# Altium PCB MKRWANV1.0.PcbDoc (part 1 of 2) (continued)
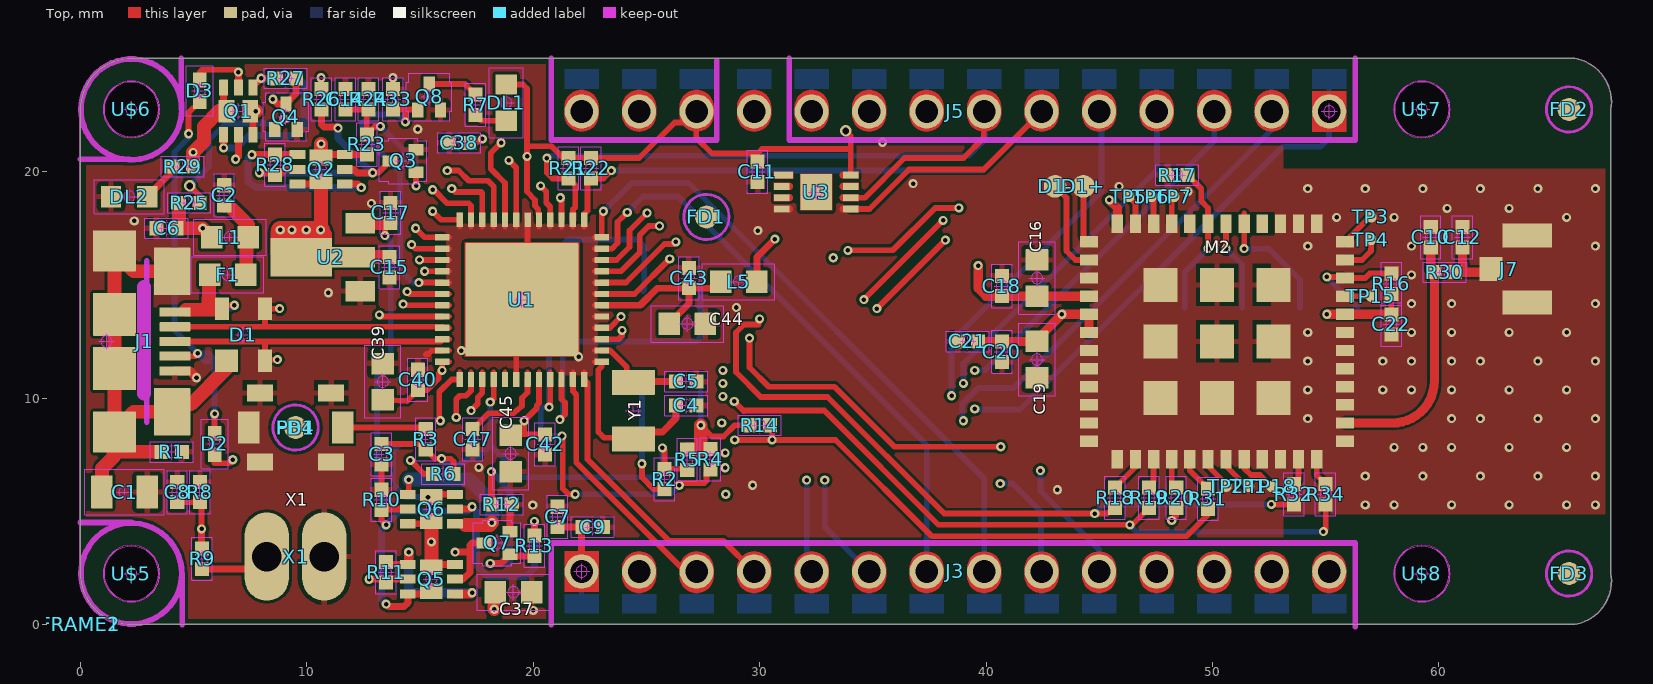
[diagram p0: Top view]
## Footprints (in the part's own frame and the unit in brackets; to place one, negate y for a bottom-side part, rotate by r counter-clockwise, add the part's x,y. Pads: shape width x height; smd on the part's side, far side on the other; paste and mask are expansions set on the pad) (continued)
  Top region: 0,0.889 -0.749,0.889 -0.749,-0.902 0.749,-0.902 0.749,0.889 0,0.889
  Top keep-out circle w0.05: c0,0 r0.25
  Top keep-out lines w0.05: -0.35,0 0,0 ; 0,-0.35 0,0 ; 0,0.35 0,0 ; 0.35,0 0,0
  Bottom region: -0.749,0.902 -0.749,-0.648 -0.318,-0.648 -0.235,-0.664 -0.165,-0.711 -0.118,-0.781 -0.102,-0.864 -0.102,-0.864 -0.102,-0.991 -0.103,-0.995 -0.105,-1 -0.109,-1.002 -0.114,-1.003 -0.114,-1.003 -0.749,-1.003 -0.749,-1.854 0.749,-1.854 0.749,-1.003 0.102,-1.003 0.102,-0.864 0.118,-0.781 0.165,-0.711 0.235,-0.664 0.318,-0.648 0.318,-0.648 0.749,-0.648 0.749,0.902 -0.749,0.902
  Bottom region: 22.86,0.889 22.573,0.832 22.33,0.67 22.168,0.426 22.111,0.14 22.111,0.14 22.111,-0.165 22.136,-0.318 22.187,-0.483 22.301,-0.648 22.543,-0.648 22.625,-0.664 22.695,-0.711 22.742,-0.781 22.758,-0.864 22.758,-0.864 22.758,-0.991 22.757,-0.995 22.755,-1 22.751,-1.002 22.746,-1.003 22.746,-1.003 22.111,-1.003 22.111,-1.854 23.609,-1.854 23.609,-1.003 22.962,-1.003 22.962,-0.864 22.978,-0.781 23.025,-0.711 23.095,-0.664 23.177,-0.648 23.177,-0.648 23.419,-0.648 23.533,-0.483 23.584,-0.318 23.609,-0.165 23.609,0 23.609,0.14 23.552,0.426 23.39,0.67 23.147,0.832 22.86,0.889 22.86,0.889
  Bottom region: 30.48,0.889 30.193,0.832 29.95,0.67 29.788,0.426 29.731,0.14 29.731,0.14 29.731,-0.165 29.756,-0.318 29.807,-0.483 29.921,-0.648 30.162,-0.648 30.245,-0.664 30.315,-0.711 30.362,-0.781 30.378,-0.864 30.378,-0.864 30.378,-0.991 30.377,-0.995 30.375,-1 30.371,-1.002 30.366,-1.003 30.366,-1.003 29.731,-1.003 29.731,-1.854 31.229,-1.854 31.229,-1.003 30.582,-1.003 30.582,-0.864 30.598,-0.781 30.645,-0.711 30.715,-0.664 30.797,-0.648 30.797,-0.648 31.039,-0.648 31.153,-0.483 31.204,-0.318 31.229,-0.165 31.229,0 31.229,0.14 31.172,0.426 31.01,0.67 30.767,0.832 30.48,0.889 30.48,0.889
  Bottom region: 27.94,0.889 27.653,0.832 27.41,0.67 27.248,0.426 27.191,0.14 27.191,0.14 27.191,-0.165 27.216,-0.318 27.267,-0.483 27.381,-0.648 27.622,-0.648 27.705,-0.664 27.775,-0.711 27.822,-0.781 27.838,-0.864 27.838,-0.864 27.838,-0.991 27.837,-0.995 27.835,-1 27.831,-1.002 27.826,-1.003 27.826,-1.003 27.191,-1.003 27.191,-1.854 28.689,-1.854 28.689,-1.003 28.042,-1.003 28.042,-0.864 28.058,-0.781 28.105,-0.711 28.175,-0.664 28.258,-0.648 28.258,-0.648 28.499,-0.648 28.613,-0.483 28.664,-0.318 28.689,-0.165 28.689,0 28.689,0.14 28.632,0.426 28.47,0.67 28.227,0.832 27.94,0.889 27.94,0.889
  Bottom region: 25.4,0.889 25.113,0.832 24.87,0.67 24.708,0.426 24.651,0.14 24.651,0.14 24.651,-0.165 24.676,-0.318 24.727,-0.483 24.841,-0.648 25.082,-0.648 25.165,-0.664 25.235,-0.711 25.282,-0.781 25.298,-0.864 25.298,-0.864 25.298,-0.991 25.297,-0.995 25.295,-1 25.291,-1.002 25.286,-1.003 25.286,-1.003 24.651,-1.003 24.651,-1.854 26.149,-1.854 26.149,-1.003 25.502,-1.003 25.502,-0.864 25.518,-0.781 25.565,-0.711 25.635,-0.664 25.717,-0.648 25.717,-0.648 25.959,-0.648 26.073,-0.483 26.124,-0.318 26.149,-0.165 26.149,0 26.149,0.14 26.092,0.426 25.93,0.67 25.687,0.832 25.4,0.889 25.4,0.889
  Bottom region: 20.32,0.889 20.033,0.832 19.79,0.67 19.628,0.426 19.571,0.14 19.571,0.14 19.571,-0.165 19.596,-0.318 19.647,-0.483 19.761,-0.648 20.002,-0.648 20.085,-0.664 20.155,-0.711 20.202,-0.781 20.218,-0.864 20.218,-0.864 20.218,-0.991 20.217,-0.995 20.215,-1 20.211,-1.002 20.206,-1.003 20.206,-1.003 19.571,-1.003 19.571,-1.854 21.069,-1.854 21.069,-1.003 20.422,-1.003 20.422,-0.864 20.438,-0.781 20.485,-0.711 20.555,-0.664 20.637,-0.648 20.637,-0.648 20.879,-0.648 20.993,-0.483 21.044,-0.318 21.069,-0.165 21.069,0 21.069,0.14 21.012,0.426 20.85,0.67 20.607,0.832 20.32,0.889 20.32,0.889
  Bottom region: 17.78,0.889 17.493,0.832 17.25,0.67 17.088,0.426 17.031,0.14 17.031,0.14 17.031,-0.165 17.056,-0.318 17.107,-0.483 17.221,-0.648 17.462,-0.648 17.545,-0.664 17.615,-0.711 17.662,-0.781 17.678,-0.864 17.678,-0.864 17.678,-0.991 17.677,-0.995 17.675,-1 17.671,-1.002 17.666,-1.003 17.666,-1.003 17.031,-1.003 17.031,-1.854 18.529,-1.854 18.529,-1.003 17.882,-1.003 17.882,-0.864 17.898,-0.781 17.945,-0.711 18.015,-0.664 18.098,-0.648 18.098,-0.648 18.339,-0.648 18.453,-0.483 18.504,-0.318 18.529,-0.165 18.529,0 18.529,0.14 18.472,0.426 18.31,0.67 18.067,0.832 17.78,0.889 17.78,0.889
  Bottom region: 15.24,0.889 14.953,0.832 14.71,0.67 14.548,0.426 14.491,0.14 14.491,0.14 14.491,-0.165 14.516,-0.318 14.567,-0.483 14.681,-0.648 14.922,-0.648 15.005,-0.664 15.075,-0.711 15.122,-0.781 15.138,-0.864 15.138,-0.864 15.138,-0.991 15.137,-0.995 15.135,-1 15.131,-1.002 15.126,-1.003 15.126,-1.003 14.491,-1.003 14.491,-1.854 15.989,-1.854 15.989,-1.003 15.342,-1.003 15.342,-0.864 15.358,-0.781 15.405,-0.711 15.475,-0.664 15.557,-0.648 15.557,-0.648 15.799,-0.648 15.913,-0.483 15.964,-0.318 15.989,-0.165 15.989,0 15.989,0.14 15.932,0.426 15.77,0.67 15.527,0.832 15.24,0.889 15.24,0.889
  Bottom region: 12.7,0.889 12.413,0.832 12.17,0.67 12.008,0.426 11.951,0.14 11.951,0.14 11.951,-0.165 11.976,-0.318 12.027,-0.483 12.141,-0.648 12.383,-0.648 12.465,-0.664 12.535,-0.711 12.582,-0.781 12.598,-0.864 12.598,-0.864 12.598,-0.991 12.597,-0.995 12.595,-1 12.591,-1.002 12.586,-1.003 12.586,-1.003 11.951,-1.003 11.951,-1.854 13.449,-1.854 13.449,-1.003 12.802,-1.003 12.802,-0.864 12.818,-0.781 12.865,-0.711 12.935,-0.664 13.018,-0.648 13.018,-0.648 13.259,-0.648 13.373,-0.483 13.424,-0.318 13.449,-0.165 13.449,0 13.449,0.14 13.392,0.426 13.23,0.67 12.987,0.832 12.7,0.889 12.7,0.889
  Bottom region: 10.16,0.889 9.873,0.832 9.63,0.67 9.468,0.426 9.411,0.14 9.411,0.14 9.411,-0.165 9.436,-0.318 9.487,-0.483 9.601,-0.648 9.842,-0.648 9.925,-0.664 9.995,-0.711 10.042,-0.781 10.058,-0.864 10.058,-0.864 10.058,-0.991 10.057,-0.995 10.055,-1 10.051,-1.002 10.046,-1.003 10.046,-1.003 9.411,-1.003 9.411,-1.854 10.909,-1.854 10.909,-1.003 10.262,-1.003 10.262,-0.864 10.278,-0.781 10.325,-0.711 10.395,-0.664 10.477,-0.648 10.477,-0.648 10.719,-0.648 10.833,-0.483 10.884,-0.318 10.909,-0.165 10.909,0 10.909,0.14 10.852,0.426 10.69,0.67 10.447,0.832 10.16,0.889 10.16,0.889
  Bottom region: 7.62,0.889 7.333,0.832 7.09,0.67 6.928,0.426 6.871,0.14 6.871,0.14 6.871,-0.165 6.896,-0.318 6.947,-0.483 7.061,-0.648 7.302,-0.648 7.385,-0.664 7.455,-0.711 7.502,-0.781 7.518,-0.864 7.518,-0.864 7.518,-0.991 7.517,-0.995 7.515,-1 7.511,-1.002 7.506,-1.003 7.506,-1.003 6.871,-1.003 6.871,-1.854 8.369,-1.854 8.369,-1.003 7.722,-1.003 7.722,-0.864 7.738,-0.781 7.785,-0.711 7.855,-0.664 7.938,-0.648 7.938,-0.648 8.179,-0.648 8.293,-0.483 8.344,-0.318 8.369,-0.165 8.369,0 8.369,0.14 8.312,0.426 8.15,0.67 7.907,0.832 7.62,0.889 7.62,0.889
  Bottom region: 5.08,0.889 4.793,0.832 4.55,0.67 4.388,0.426 4.331,0.14 4.331,0.14 4.331,-0.165 4.356,-0.318 4.407,-0.483 4.521,-0.648 4.763,-0.648 4.845,-0.664 4.915,-0.711 4.962,-0.781 4.978,-0.864 4.978,-0.864 4.978,-0.991 4.977,-0.995 4.975,-1 4.971,-1.002 4.966,-1.003 4.966,-1.003 4.331,-1.003 4.331,-1.854 5.829,-1.854 5.829,-1.003 5.182,-1.003 5.182,-0.864 5.198,-0.781 5.245,-0.711 5.315,-0.664 5.397,-0.648 5.397,-0.648 5.639,-0.648 5.753,-0.483 5.804,-0.318 5.829,-0.165 5.829,0 5.829,0.14 5.772,0.426 5.61,0.67 5.367,0.832 5.08,0.889 5.08,0.889
  Bottom region: 33.02,0.889 32.733,0.832 32.49,0.67 32.328,0.426 32.271,0.14 32.271,0.14 32.271,-0.165 32.296,-0.318 32.347,-0.483 32.461,-0.648 32.702,-0.648 32.785,-0.664 32.855,-0.711 32.902,-0.781 32.918,-0.864 32.918,-0.864 32.918,-0.991 32.917,-0.995 32.915,-1 32.911,-1.002 32.906,-1.003 32.906,-1.003 32.271,-1.003 32.271,-1.854 33.769,-1.854 33.769,-1.003 33.122,-1.003 33.122,-0.864 33.138,-0.781 33.185,-0.711 33.255,-0.664 33.337,-0.648 33.337,-0.648 33.579,-0.648 33.693,-0.483 33.744,-0.318 33.769,-0.165 33.769,0 33.769,0.14 33.712,0.426 33.55,0.67 33.307,0.832 33.02,0.889 33.02,0.889
  Bottom region: 2.54,0.889 2.253,0.832 2.01,0.67 1.848,0.426 1.791,0.14 1.791,0.14 1.791,-0.165 1.816,-0.318 1.867,-0.483 1.981,-0.648 2.222,-0.648 2.305,-0.664 2.375,-0.711 2.422,-0.781 2.438,-0.864 2.438,-0.864 2.438,-0.991 2.437,-0.995 2.435,-1 2.431,-1.002 2.426,-1.003 2.426,-1.003 1.791,-1.003 1.791,-1.854 3.289,-1.854 3.289,-1.003 2.642,-1.003 2.642,-0.864 2.658,-0.781 2.705,-0.711 2.775,-0.664 2.857,-0.648 2.857,-0.648 3.099,-0.648 3.213,-0.483 3.264,-0.318 3.289,-0.165 3.289,0 3.289,0.14 3.232,0.426 3.07,0.67 2.827,0.832 2.54,0.889 2.54,0.889
1X14_SMD_TH#2 [mm] "1X14_SMD_TH"
  round 1.508 hole 1: 1(0,0) 2(2.54,0) 3(5.08,0) 4(7.62,0) 5(10.16,0) 6(12.7,0) 7(15.24,0) 8(17.78,0) 9(20.32,0) 10(22.86,0) 11(25.4,0) 12(27.94,0) 13(30.48,0) 14(33.02,0)
  Top region: 33.02,0.889 32.733,0.832 32.49,0.67 32.328,0.426 32.271,0.14 32.271,0.14 32.271,0 32.271,-0.203 32.328,-0.49 32.49,-0.733 32.733,-0.895 33.02,-0.952 33.02,-0.952 33.307,-0.895 33.55,-0.733 33.712,-0.49 33.769,-0.203 33.769,-0.203 33.769,0 33.769,0.14 33.712,0.426 33.55,0.67 33.307,0.832 33.02,0.889 33.02,0.889
  Top region: 30.48,0.889 30.193,0.832 29.95,0.67 29.788,0.426 29.731,0.14 29.731,0.14 29.731,0 29.731,-0.203 29.788,-0.49 29.95,-0.733 30.193,-0.895 30.48,-0.952 30.48,-0.952 30.767,-0.895 31.01,-0.733 31.172,-0.49 31.229,-0.203 31.229,-0.203 31.229,0 31.229,0.14 31.172,0.426 31.01,0.67 30.767,0.832 30.48,0.889 30.48,0.889
  Top region: 27.94,0.889 27.653,0.832 27.41,0.67 27.248,0.426 27.191,0.14 27.191,0.14 27.191,0 27.191,-0.203 27.248,-0.49 27.41,-0.733 27.653,-0.895 27.94,-0.952 27.94,-0.952 28.227,-0.895 28.47,-0.733 28.632,-0.49 28.689,-0.203 28.689,-0.203 28.689,0 28.689,0.14 28.632,0.426 28.47,0.67 28.227,0.832 27.94,0.889 27.94,0.889
  Top region: 25.4,0.889 25.113,0.832 24.87,0.67 24.708,0.426 24.651,0.14 24.651,0.14 24.651,0 24.651,-0.203 24.708,-0.49 24.87,-0.733 25.113,-0.895 25.4,-0.952 25.4,-0.952 25.687,-0.895 25.93,-0.733 26.092,-0.49 26.149,-0.203 26.149,-0.203 26.149,0 26.149,0.14 26.092,0.426 25.93,0.67 25.687,0.832 25.4,0.889 25.4,0.889
  Top region: 22.86,0.889 22.573,0.832 22.33,0.67 22.168,0.426 22.111,0.14 22.111,0.14 22.111,0 22.111,-0.203 22.168,-0.49 22.33,-0.733 22.573,-0.895 22.86,-0.952 22.86,-0.952 23.147,-0.895 23.39,-0.733 23.552,-0.49 23.609,-0.203 23.609,-0.203 23.609,0 23.609,0.14 23.552,0.426 23.39,0.67 23.147,0.832 22.86,0.889 22.86,0.889
  Top region: 20.32,0.889 20.033,0.832 19.79,0.67 19.628,0.426 19.571,0.14 19.571,0.14 19.571,0 19.571,-0.203 19.628,-0.49 19.79,-0.733 20.033,-0.895 20.32,-0.952 20.32,-0.952 20.607,-0.895 20.85,-0.733 21.012,-0.49 21.069,-0.203 21.069,-0.203 21.069,0 21.069,0.14 21.012,0.426 20.85,0.67 20.607,0.832 20.32,0.889 20.32,0.889
  Top region: 17.78,0.889 17.493,0.832 17.25,0.67 17.088,0.426 17.031,0.14 17.031,0.14 17.031,0 17.031,-0.203 17.088,-0.49 17.25,-0.733 17.493,-0.895 17.78,-0.952 17.78,-0.952 18.067,-0.895 18.31,-0.733 18.472,-0.49 18.529,-0.203 18.529,-0.203 18.529,0 18.529,0.14 18.472,0.426 18.31,0.67 18.067,0.832 17.78,0.889 17.78,0.889
  Top region: 15.24,0.889 14.953,0.832 14.71,0.67 14.548,0.426 14.491,0.14 14.491,0.14 14.491,0 14.491,-0.203 14.548,-0.49 14.71,-0.733 14.953,-0.895 15.24,-0.952 15.24,-0.952 15.527,-0.895 15.77,-0.733 15.932,-0.49 15.989,-0.203 15.989,-0.203 15.989,0 15.989,0.14 15.932,0.426 15.77,0.67 15.527,0.832 15.24,0.889 15.24,0.889
  Top region: 12.7,0.889 12.413,0.832 12.17,0.67 12.008,0.426 11.951,0.14 11.951,0.14 11.951,0 11.951,-0.203 12.008,-0.49 12.17,-0.733 12.413,-0.895 12.7,-0.952 12.7,-0.952 12.987,-0.895 13.23,-0.733 13.392,-0.49 13.449,-0.203 13.449,-0.203 13.449,0 13.449,0.14 13.392,0.426 13.23,0.67 12.987,0.832 12.7,0.889 12.7,0.889
  Top region: 10.16,0.889 9.873,0.832 9.63,0.67 9.468,0.426 9.411,0.14 9.411,0.14 9.411,0 9.411,-0.203 9.468,-0.49 9.63,-0.733 9.873,-0.895 10.16,-0.952 10.16,-0.952 10.447,-0.895 10.69,-0.733 10.852,-0.49 10.909,-0.203 10.909,-0.203 10.909,0 10.909,0.14 10.852,0.426 10.69,0.67 10.447,0.832 10.16,0.889 10.16,0.889
  Top region: 7.62,0.889 7.333,0.832 7.09,0.67 6.928,0.426 6.871,0.14 6.871,0.14 6.871,0 6.871,-0.203 6.928,-0.49 7.09,-0.733 7.333,-0.895 7.62,-0.952 7.62,-0.952 7.907,-0.895 8.15,-0.733 8.312,-0.49 8.369,-0.203 8.369,-0.203 8.369,0 8.369,0.14 8.312,0.426 8.15,0.67 7.907,0.832 7.62,0.889 7.62,0.889
  Top region: 5.08,0.889 4.793,0.832 4.55,0.67 4.388,0.426 4.331,0.14 4.331,0.14 4.331,0 4.331,-0.203 4.388,-0.49 4.55,-0.733 4.793,-0.895 5.08,-0.952 5.08,-0.952 5.367,-0.895 5.61,-0.733 5.772,-0.49 5.829,-0.203 5.829,-0.203 5.829,0 5.829,0.14 5.772,0.426 5.61,0.67 5.367,0.832 5.08,0.889 5.08,0.889
  Top region: 2.54,0.889 2.253,0.832 2.01,0.67 1.848,0.426 1.791,0.14 1.791,0.14 1.791,0 1.791,-0.203 1.848,-0.49 2.01,-0.733 2.253,-0.895 2.54,-0.952 2.54,-0.952 2.827,-0.895 3.07,-0.733 3.232,-0.49 3.289,-0.203 3.289,-0.203 3.289,0 3.289,0.14 3.232,0.426 3.07,0.67 2.827,0.832 2.54,0.889 2.54,0.889
  Top region: 0,0.889 -0.749,0.889 -0.749,-0.902 0.749,-0.902 0.749,0.889 0,0.889
  Top keep-out circle w0.05: c0,0 r0.25
  Top keep-out lines w0.05: 0.35,0 -0.35,0 ; 0,0.35 0,-0.35
  Bottom region: -0.749,0.902 -0.749,-0.648 -0.317,-0.648 -0.235,-0.664 -0.165,-0.711 -0.118,-0.781 -0.102,-0.864 -0.102,-0.864 -0.102,-0.991 -0.103,-0.995 -0.105,-1 -0.109,-1.002 -0.114,-1.003 -0.114,-1.003 -0.749,-1.003 -0.749,-1.854 0.749,-1.854 0.749,-1.003 0.102,-1.003 0.102,-0.864 0.118,-0.781 0.165,-0.711 0.235,-0.664 0.318,-0.648 0.318,-0.648 0.749,-0.648 0.749,0.902 -0.749,0.902
  Bottom region: 22.86,0.889 22.573,0.832 22.33,0.67 22.168,0.426 22.111,0.14 22.111,0.14 22.111,-0.165 22.136,-0.317 22.187,-0.483 22.301,-0.648 22.542,-0.648 22.625,-0.664 22.695,-0.711 22.742,-0.781 22.758,-0.864 22.758,-0.864 22.758,-0.991 22.757,-0.995 22.755,-1 22.751,-1.002 22.746,-1.003 22.746,-1.003 22.111,-1.003 22.111,-1.854 23.609,-1.854 23.609,-1.003 22.962,-1.003 22.962,-0.864 22.978,-0.781 23.025,-0.711 23.095,-0.664 23.177,-0.648 23.177,-0.648 23.419,-0.648 23.533,-0.483 23.584,-0.317 23.609,-0.165 23.609,0 23.609,0.14 23.552,0.426 23.39,0.67 23.147,0.832 22.86,0.889 22.86,0.889
  Bottom region: 30.48,0.889 30.193,0.832 29.95,0.67 29.788,0.426 29.731,0.14 29.731,0.14 29.731,-0.165 29.756,-0.317 29.807,-0.483 29.921,-0.648 30.162,-0.648 30.245,-0.664 30.315,-0.711 30.362,-0.781 30.378,-0.864 30.378,-0.864 30.378,-0.991 30.377,-0.995 30.375,-1 30.371,-1.002 30.366,-1.003 30.366,-1.003 29.731,-1.003 29.731,-1.854 31.229,-1.854 31.229,-1.003 30.582,-1.003 30.582,-0.864 30.598,-0.781 30.645,-0.711 30.715,-0.664 30.797,-0.648 30.797,-0.648 31.039,-0.648 31.153,-0.483 31.204,-0.317 31.229,-0.165 31.229,0 31.229,0.14 31.172,0.426 31.01,0.67 30.767,0.832 30.48,0.889 30.48,0.889
  Bottom region: 27.94,0.889 27.653,0.832 27.41,0.67 27.248,0.426 27.191,0.14 27.191,0.14 27.191,-0.165 27.216,-0.317 27.267,-0.483 27.381,-0.648 27.622,-0.648 27.705,-0.664 27.775,-0.711 27.822,-0.781 27.838,-0.864 27.838,-0.864 27.838,-0.991 27.837,-0.995 27.835,-1 27.831,-1.002 27.826,-1.003 27.826,-1.003 27.191,-1.003 27.191,-1.854 28.689,-1.854 28.689,-1.003 28.042,-1.003 28.042,-0.864 28.058,-0.781 28.105,-0.711 28.175,-0.664 28.257,-0.648 28.257,-0.648 28.499,-0.648 28.613,-0.483 28.664,-0.317 28.689,-0.165 28.689,0 28.689,0.14 28.632,0.426 28.47,0.67 28.227,0.832 27.94,0.889 27.94,0.889
  Bottom region: 25.4,0.889 25.113,0.832 24.87,0.67 24.708,0.426 24.651,0.14 24.651,0.14 24.651,-0.165 24.676,-0.317 24.727,-0.483 24.841,-0.648 25.082,-0.648 25.165,-0.664 25.235,-0.711 25.282,-0.781 25.298,-0.864 25.298,-0.864 25.298,-0.991 25.297,-0.995 25.295,-1 25.291,-1.002 25.286,-1.003 25.286,-1.003 24.651,-1.003 24.651,-1.854 26.149,-1.854 26.149,-1.003 25.502,-1.003 25.502,-0.864 25.518,-0.781 25.565,-0.711 25.635,-0.664 25.717,-0.648 25.717,-0.648 25.959,-0.648 26.073,-0.483 26.124,-0.317 26.149,-0.165 26.149,0 26.149,0.14 26.092,0.426 25.93,0.67 25.687,0.832 25.4,0.889 25.4,0.889
  Bottom region: 20.32,0.889 20.033,0.832 19.79,0.67 19.628,0.426 19.571,0.14 19.571,0.14 19.571,-0.165 19.596,-0.317 19.647,-0.483 19.761,-0.648 20.002,-0.648 20.085,-0.664 20.155,-0.711 20.202,-0.781 20.218,-0.864 20.218,-0.864 20.218,-0.991 20.217,-0.995 20.215,-1 20.211,-1.002 20.206,-1.003 20.206,-1.003 19.571,-1.003 19.571,-1.854 21.069,-1.854 21.069,-1.003 20.422,-1.003 20.422,-0.864 20.438,-0.781 20.485,-0.711 20.555,-0.664 20.637,-0.648 20.637,-0.648 20.879,-0.648 20.993,-0.483 21.044,-0.317 21.069,-0.165 21.069,0 21.069,0.14 21.012,0.426 20.85,0.67 20.607,0.832 20.32,0.889 20.32,0.889
  Bottom region: 17.78,0.889 17.493,0.832 17.25,0.67 17.088,0.426 17.031,0.14 17.031,0.14 17.031,-0.165 17.056,-0.317 17.107,-0.483 17.221,-0.648 17.462,-0.648 17.545,-0.664 17.615,-0.711 17.662,-0.781 17.678,-0.864 17.678,-0.864 17.678,-0.991 17.677,-0.995 17.675,-1 17.671,-1.002 17.666,-1.003 17.666,-1.003 17.031,-1.003 17.031,-1.854 18.529,-1.854 18.529,-1.003 17.882,-1.003 17.882,-0.864 17.898,-0.781 17.945,-0.711 18.015,-0.664 18.097,-0.648 18.097,-0.648 18.339,-0.648 18.453,-0.483 18.504,-0.317 18.529,-0.165 18.529,0 18.529,0.14 18.472,0.426 18.31,0.67 18.067,0.832 17.78,0.889 17.78,0.889
  Bottom region: 15.24,0.889 14.953,0.832 14.71,0.67 14.548,0.426 14.491,0.14 14.491,0.14 14.491,-0.165 14.516,-0.317 14.567,-0.483 14.681,-0.648 14.922,-0.648 15.005,-0.664 15.075,-0.711 15.122,-0.781 15.138,-0.864 15.138,-0.864 15.138,-0.991 15.137,-0.995 15.135,-1 15.131,-1.002 15.126,-1.003 15.126,-1.003 14.491,-1.003 14.491,-1.854 15.989,-1.854 15.989,-1.003 15.342,-1.003 15.342,-0.864 15.358,-0.781 15.405,-0.711 15.475,-0.664 15.557,-0.648 15.557,-0.648 15.799,-0.648 15.913,-0.483 15.964,-0.317 15.989,-0.165 15.989,0 15.989,0.14 15.932,0.426 15.77,0.67 15.527,0.832 15.24,0.889 15.24,0.889
  Bottom region: 12.7,0.889 12.413,0.832 12.17,0.67 12.008,0.426 11.951,0.14 11.951,0.14 11.951,-0.165 11.976,-0.317 12.027,-0.483 12.141,-0.648 12.382,-0.648 12.465,-0.664 12.535,-0.711 12.582,-0.781 12.598,-0.864 12.598,-0.864 12.598,-0.991 12.597,-0.995 12.595,-1 12.591,-1.002 12.586,-1.003 12.586,-1.003 11.951,-1.003 11.951,-1.854 13.449,-1.854 13.449,-1.003 12.802,-1.003 12.802,-0.864 12.818,-0.781 12.865,-0.711 12.935,-0.664 13.017,-0.648 13.017,-0.648 13.259,-0.648 13.373,-0.483 13.424,-0.317 13.449,-0.165 13.449,0 13.449,0.14 13.392,0.426 13.23,0.67 12.987,0.832 12.7,0.889 12.7,0.889
  Bottom region: 10.16,0.889 9.873,0.832 9.63,0.67 9.468,0.426 9.411,0.14 9.411,0.14 9.411,-0.165 9.436,-0.317 9.487,-0.483 9.601,-0.648 9.842,-0.648 9.925,-0.664 9.995,-0.711 10.042,-0.781 10.058,-0.864 10.058,-0.864 10.058,-0.991 10.057,-0.995 10.055,-1 10.051,-1.002 10.046,-1.003 10.046,-1.003 9.411,-1.003 9.411,-1.854 10.909,-1.854 10.909,-1.003 10.262,-1.003 10.262,-0.864 10.278,-0.781 10.325,-0.711 10.395,-0.664 10.477,-0.648 10.477,-0.648 10.719,-0.648 10.833,-0.483 10.884,-0.317 10.909,-0.165 10.909,0 10.909,0.14 10.852,0.426 10.69,0.67 10.447,0.832 10.16,0.889 10.16,0.889
  Bottom region: 7.62,0.889 7.333,0.832 7.09,0.67 6.928,0.426 6.871,0.14 6.871,0.14 6.871,-0.165 6.896,-0.317 6.947,-0.483 7.061,-0.648 7.302,-0.648 7.385,-0.664 7.455,-0.711 7.502,-0.781 7.518,-0.864 7.518,-0.864 7.518,-0.991 7.517,-0.995 7.515,-1 7.511,-1.002 7.506,-1.003 7.506,-1.003 6.871,-1.003 6.871,-1.854 8.369,-1.854 8.369,-1.003 7.722,-1.003 7.722,-0.864 7.738,-0.781 7.785,-0.711 7.855,-0.664 7.937,-0.648 7.937,-0.648 8.179,-0.648 8.293,-0.483 8.344,-0.317 8.369,-0.165 8.369,0 8.369,0.14 8.312,0.426 8.15,0.67 7.907,0.832 7.62,0.889 7.62,0.889
  Bottom region: 5.08,0.889 4.793,0.832 4.55,0.67 4.388,0.426 4.331,0.14 4.331,0.14 4.331,-0.165 4.356,-0.317 4.407,-0.483 4.521,-0.648 4.762,-0.648 4.845,-0.664 4.915,-0.711 4.962,-0.781 4.978,-0.864 4.978,-0.864 4.978,-0.991 4.977,-0.995 4.975,-1 4.971,-1.002 4.966,-1.003 4.966,-1.003 4.331,-1.003 4.331,-1.854 5.829,-1.854 5.829,-1.003 5.182,-1.003 5.182,-0.864 5.198,-0.781 5.245,-0.711 5.315,-0.664 5.397,-0.648 5.397,-0.648 5.639,-0.648 5.753,-0.483 5.804,-0.317 5.829,-0.165 5.829,0 5.829,0.14 5.772,0.426 5.61,0.67 5.367,0.832 5.08,0.889 5.08,0.889
  Bottom region: 33.02,0.889 32.733,0.832 32.49,0.67 32.328,0.426 32.271,0.14 32.271,0.14 32.271,-0.165 32.296,-0.317 32.347,-0.483 32.461,-0.648 32.702,-0.648 32.785,-0.664 32.855,-0.711 32.902,-0.781 32.918,-0.864 32.918,-0.864 32.918,-0.991 32.917,-0.995 32.915,-1 32.911,-1.002 32.906,-1.003 32.906,-1.003 32.271,-1.003 32.271,-1.854 33.769,-1.854 33.769,-1.003 33.122,-1.003 33.122,-0.864 33.138,-0.781 33.185,-0.711 33.255,-0.664 33.337,-0.648 33.337,-0.648 33.579,-0.648 33.693,-0.483 33.744,-0.317 33.769,-0.165 33.769,0 33.769,0.14 33.712,0.426 33.55,0.67 33.307,0.832 33.02,0.889 33.02,0.889
  Bottom region: 2.54,0.889 2.253,0.832 2.01,0.67 1.848,0.426 1.791,0.14 1.791,0.14 1.791,-0.165 1.816,-0.317 1.867,-0.483 1.981,-0.648 2.222,-0.648 2.305,-0.664 2.375,-0.711 2.422,-0.781 2.438,-0.864 2.438,-0.864 2.438,-0.991 2.437,-0.995 2.435,-1 2.431,-1.002 2.426,-1.003 2.426,-1.003 1.791,-1.003 1.791,-1.854 3.289,-1.854 3.289,-1.003 2.642,-1.003 2.642,-0.864 2.658,-0.781 2.705,-0.711 2.775,-0.664 2.857,-0.648 2.857,-0.648 3.099,-0.648 3.213,-0.483 3.264,-0.317 3.289,-0.165 3.289,0 3.289,0.14 3.232,0.426 3.07,0.67 2.827,0.832 2.54,0.889 2.54,0.889
2X3_SMT [mil] "2X3_SMT"
  rect 45x145 smd: 1(-100,-87.5) 2(-100,87.5) 3(0,-87.5) 4(0,87.5) 5(100,-87.5) 6(100,87.5)
0402-1005X55N#1 [mm] "0402-1005X55N"
  rrect3% 0.62x0.62 smd: 1(-0.45,0) 2(0.45,0)
  Top keep-out circle w0.05: c0,0 r0.25
  Top keep-out lines w0.05: 0,0.35 0,-0.35 ; -0.35,0 0.35,0 ; -0.95,0.45 -0.95,-0.45 0.95,-0.45 0.95,0.45 -0.95,0.45
0402-1005X55N#2 [mm] "0402-1005X55N"
  rrect3% 0.62x0.62 smd: 1(-0.45,0) 2(0.45,0)
  Top keep-out circle w0.05: c0,0 r0.25
  Top keep-out lines w0.05: 0,0.35 0,-0.35 ; -0.35,0 -0.3,0 0.35,0 ; -0.95,0.45 -0.95,-0.45 0.95,-0.45 0.95,0.45 -0.95,0.45
0603-1608X90N [mm] "0603-1608X90N"
  rrect3% 0.95x1 smd: 1(-0.8,0) 2(0.8,0)
  Top keep-out circle w0.05: c0,0 r0.25
  Top keep-out lines w0.05: 0,0.35 0,-0.35 ; -0.35,0 0.35,0 ; -1.6,0.8 1.6,0.8 1.6,-0.8 -1.6,-0.8 -1.6,0.8
0603-1608X90N@1 [mm] "0603-1608X90N@1"
  rrect3% 0.95x1 smd: 1(-0.8,0) 2(0.8,0)
  Top keep-out circle w0.05: c0,0 r0.25
  Top keep-out lines w0.05: 0.35,0 -0.35,0 ; 0,0.35 0,-0.35 ; 1.6,0.8 -1.6,0.8 -1.6,-0.8 1.6,-0.8 1.6,0.8
0805-R2013X50N [mm] "0805-R2013X50N"
  rrect3% 0.95x1.45 smd: 1(-1,0) 2(1,0)
  Top keep-out circle w0.05: c0,0 r0.25
  Top keep-out lines w0.05: -0.35,0 0.35,0 ; 0,-0.35 0,0.35 ; -1.75,-1 -1.75,1 1.75,1 1.75,-1 -1.75,-1
ABS07 [mm] "ABS07"
  rrect3% 1.1x1.9 smd: 1(-1.25,0) 2(1.25,0)
  Top keep-out circle w0.05: c0,0 r0.25
  Top keep-out lines w0.05: 0,-0.35 0,0.35 ; 0.35,0 -0.35,0
C&K_PTS820_NO_HOLES [mm] "C&K_PTS820_NO_HOLES"
  rect 1.15x0.75 smd: 1(-1.575,1.525) 2(-1.575,-1.525) 3(1.575,1.525) 4(1.575,-1.525)
  rect 0.95x1.4 smd: 5(-2.075,0) 6(2.075,0)
CMWX1ZZABZ-078 [mil] "CMWX1ZZABZ-078"
  rect 31.5x19.69 smd: 1(-222.44,173.23) 2(-222.44,141.73) 3(-222.44,110.24) 4(-222.44,78.74) 5(-222.44,47.24) 6(-222.44,15.75) 7(-222.44,-15.75) 8(-222.44,-47.24) 9(-222.44,-78.74) 10(-222.44,-110.24) 11(-222.44,-141.73) 12(-222.44,-173.23) 25(222.44,-173.23) 26(222.44,-141.73) 27(222.44,-110.24) 28(222.44,-78.74) 29(222.44,-47.24) 30(222.44,-15.75) 31(222.44,15.75) 32(222.44,47.24) 33(222.44,78.74) 34(222.44,110.24) 35(222.44,141.73) 36(222.44,173.23)
  rect 19.69x31.5 smd: 13(-173.23,-204.72) 14(-141.73,-204.72) 15(-110.24,-204.72) 16(-78.74,-204.72) 17(-47.24,-204.72) 18(-15.75,-204.72) 19(15.75,-204.72) 20(47.24,-204.72) 21(78.74,-204.72) 22(110.24,-204.72) 23(141.73,-204.72) 24(173.23,-204.72) 37(173.23,204.72) 38(141.73,204.72) 39(110.24,204.72) 40(78.74,204.72) 41(47.24,204.72) 42(15.75,204.72) 43(-15.75,204.72) 44(-47.24,204.72) 45(-78.74,204.72) 46(-110.24,204.72) 47(-141.73,204.72) 48(-173.23,204.72)
  rect 59.06x59.06 smd: 49(-98.43,98.43) 50(0,98.43) 51(98.43,98.43) 52(-98.43,0) 53(0,0) 54(98.43,0) 55(-98.43,-98.43) 56(0,-98.43) 57(98.43,-98.43)
FD-1-1.5 [mil] "FD-1-1.5"
  rrect100% 40x40 smd paste-20: P$1(0,0)
  Top keep-out circle w5: c0,0 r39.37
FRAME [mm] "FRAME"
LEDC1608X80N-AK [mil] "LEDC1608X80N-AK"
  rrect3% 35.43x37.4 smd: A(31.5,0) C(-31.5,0)
  Top keep-out circle w1.97: c0,0 r9.84
  Top keep-out lines w1.97: 0,13.78 0,-13.78 ; -13.78,0 13.78,0 ; -61.02,29.53 61.02,29.53 61.02,-29.53 -61.02,-29.53 -61.02,29.53
MH_RND_F_2.2MM_NM [mm] "MH_RND_F_2.2MM_NM"
  Top keep-out circle w0.05: c0,0 r0.25
  Top keep-out lines w0.05: 0,0.35 0,-0.35 ; -0.35,0 0.35,0
PWR_SC70 [mm] "PWR_SC70"
  rrect3% 0.69x0.4 smd: D1(1.04,0.65) D2(-1.04,-0.65) G1(-1.04,0) G2(1.04,0) S1(-1.04,0.65) S2(1.04,-0.65)
  rrect3% 1x0.7 smd: D1'(0,0.525) D2'(0,-0.525)
  Top keep-out circle w0.05: c0,0 r0.25
  Top keep-out lines w0.05: 0,-0.35 0,0.35 ; 0.35,0 -0.35,0